# KiCad board Soldered Inkplate 4 TEMPERA with glass panel_panel.kicad_pcb (continued)
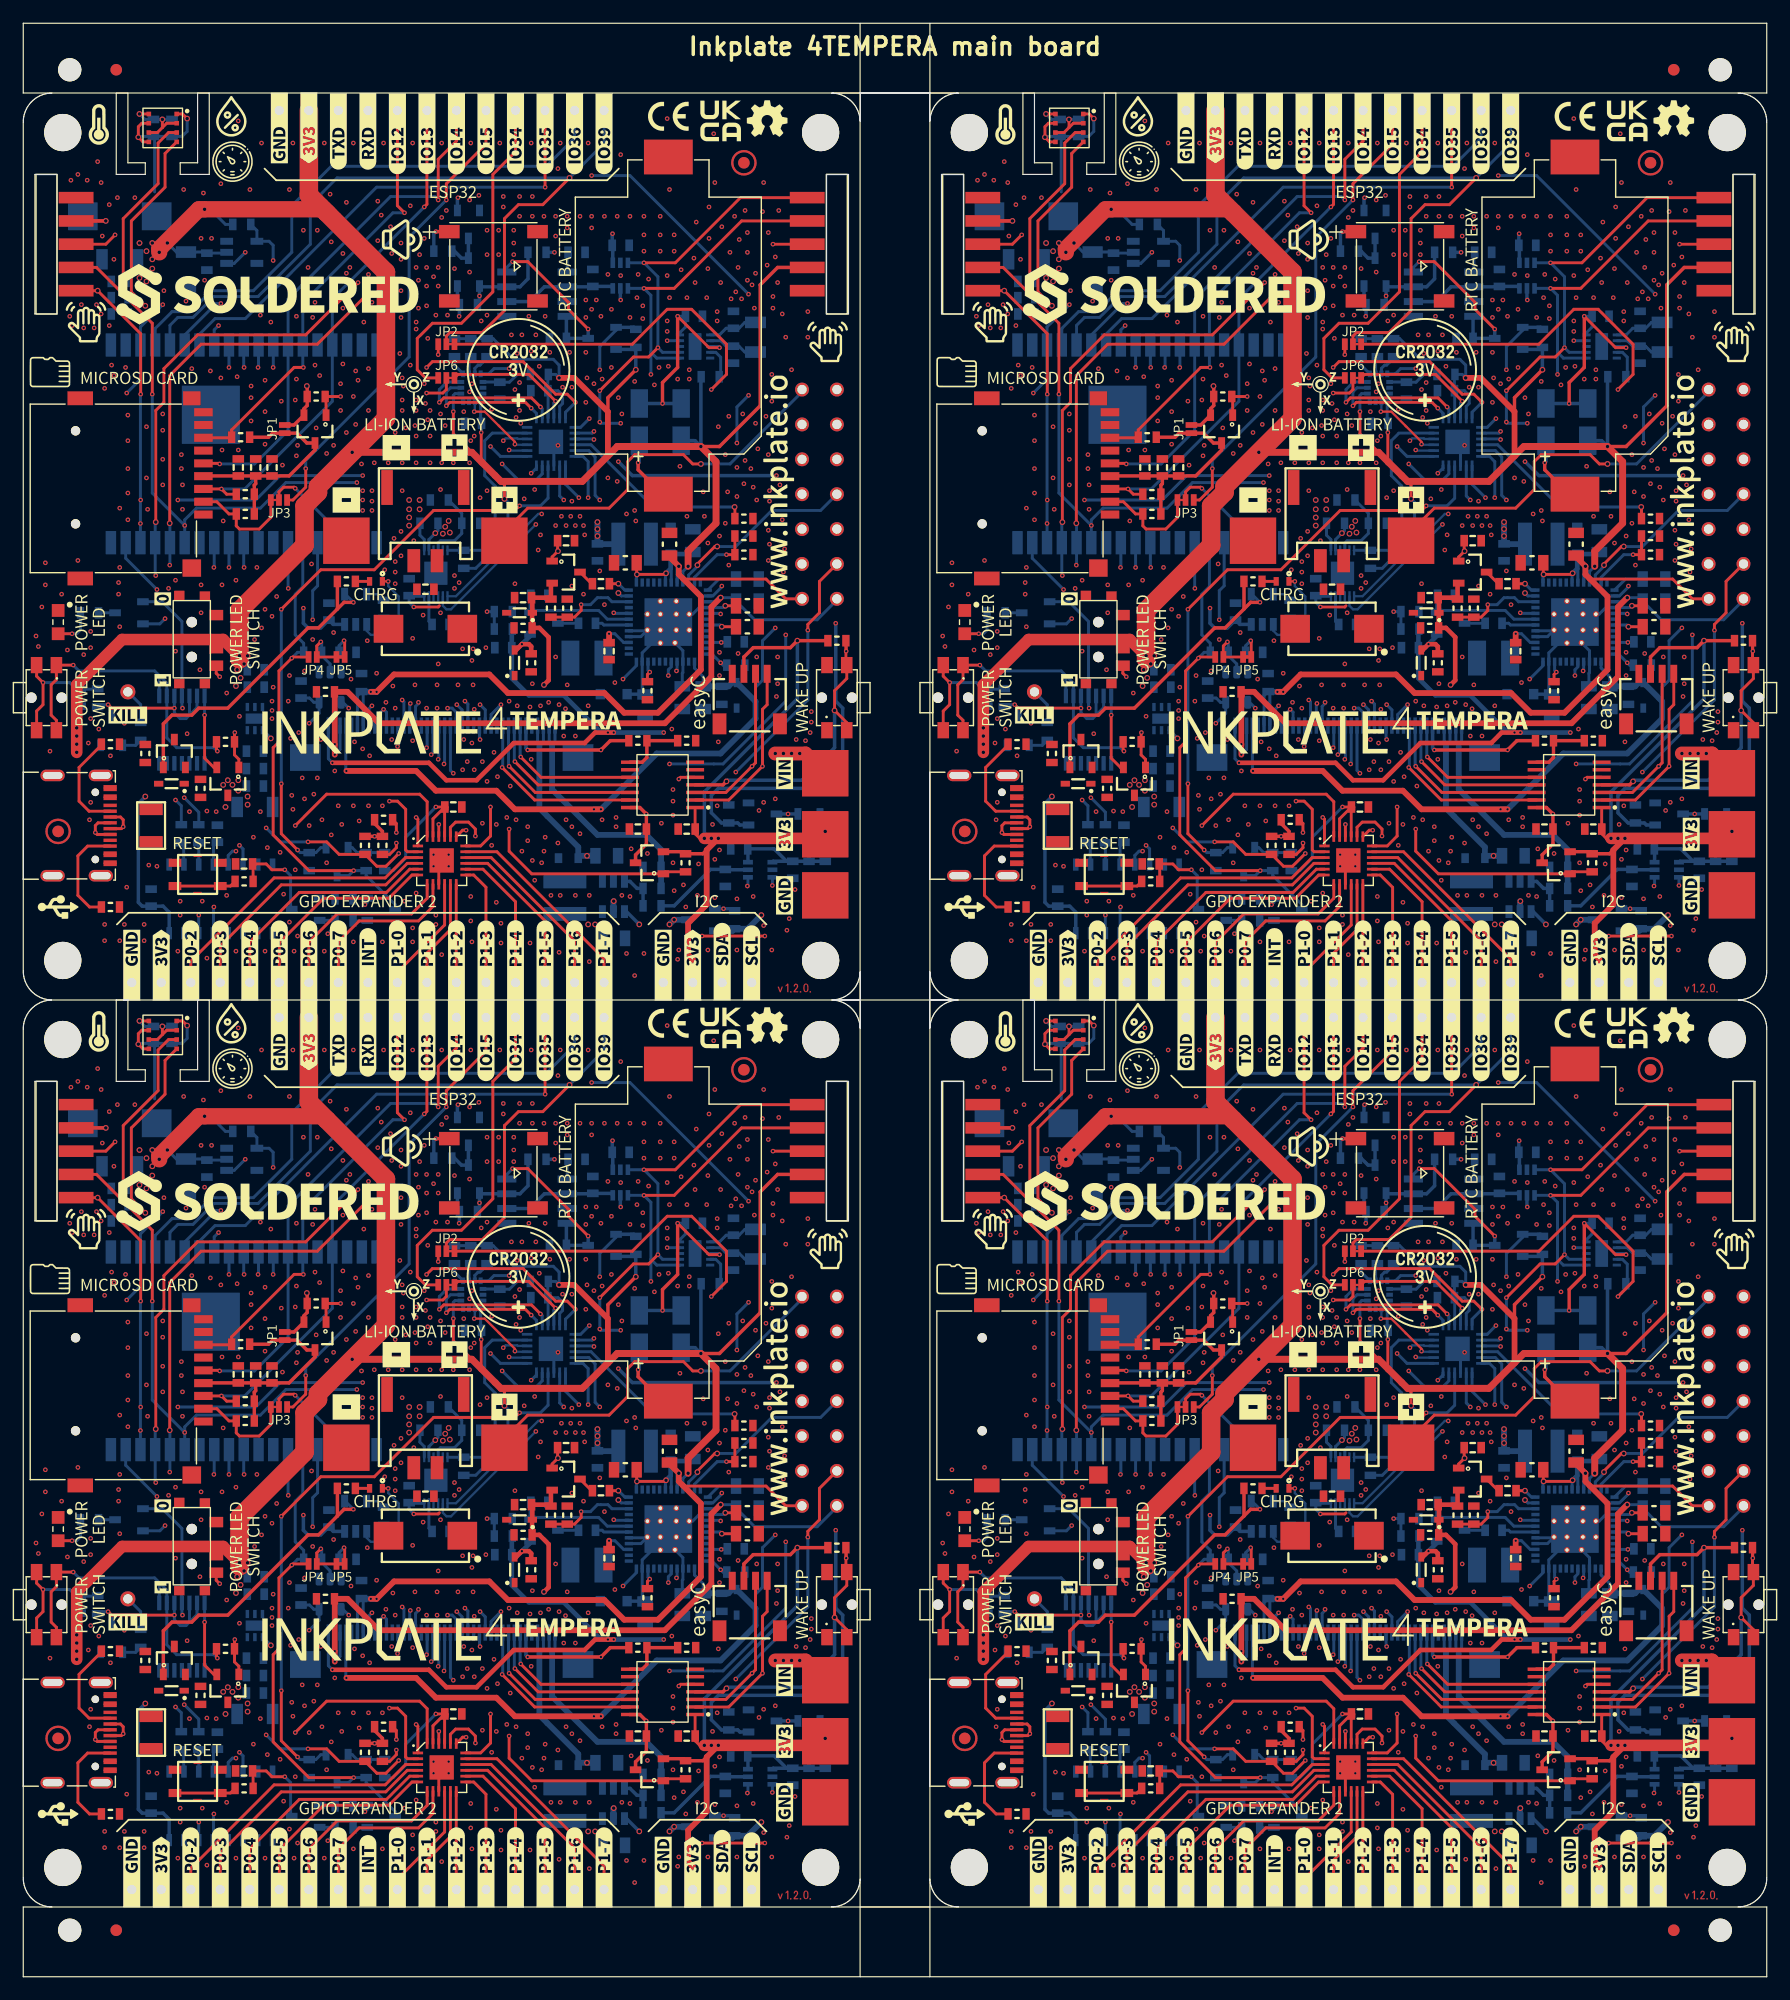
[diagram p0: board, top side]
## Routing (per net, layer and track width the routed paths; a pad name or vN(x,y) marks a point on that pad's centre or on a via; arc(x,y) is an arc through that point) (continued)
Board_0-Net-(C46-Pad2): length 2.6
  Top w0.254: v1(27.6,114.9) 27.65,114.85 JP5#2.2
  Bottom w0.254: v1(27.6,114.9) 27.17,114.47 C46#4.2
Board_0-Net-(C68-Pad2): length 1.7
  Bottom w0.254: C68#2.2 46.8,148.23 U18.5
Board_0-Net-(D8-Pad1): length 1.1
  Top w0.254: 28.68,120 D8#2.1
Board_0-Net-(D8-Pad2): length 8.7
  Top w0.2: v1(31.4,120) D8#2.2
  Bottom w0.2: v1(31.4,120) 31.4,119.6 32.3,118.7 32.3,115.8 31.9,115.4 29.9,115.4 29.55,115.75 U2#3.1
Board_0-Net-(D9-Pad1): length 3.5
  Top w0.254: v1(4.2,115.5) D9#4.1
  Bottom w0.254: R31.2 4.93,115.83 4.6,115.5 v1(4.2,115.5)
Board_0-Net-(D12-Pad1): length 6.2
  Top w0.3: v1(52.9,130.2) 52.9,129.6 55.5,127
  Bottom w0.3: v1(52.9,130.2) 53,130.3 D12.1
Board_0-Net-(JP2-Pad3): length 34.5
  Top w0.254: v1(59.2,136.5) 60.5,137.8 60.5,140.4 57.5,143.4 55.4,143.4 52.4,140.4 JP2#4.3
  Bottom w0.254: v1(59.2,136.5) 59.88,137.18 R40#3.1 60,137.73 60,139.28 59.58,139.7 U8#2.4
Board_0-Net-(JP3-Pad1): length 9.3
  Top w0.254: K10#2.2 16.65,126.85 17.7,125.8 R42#3.1 18.33,124.78 18.6,124.5 20.3,124.5 21.3,125.5 JP3#3.1
Board_0-Net-(JP4-Pad2): length 6.1
  Top w0.254: v1(25.6,114.8) 25.25,114.45 JP4.2 JP5#2.1
  Bottom w0.254: U11#2.2 26.4,112.9 25.68,113.63 R45.2 25.68,114.73 v1(25.6,114.8)
Board_0-Net-(JP6-Pad3): length 29.4
  Top w0.254: JP6#3.3 34.6,137.5 33.9,138.2 33.9,140.9 35.2,142.2 37.7,142.2 40.4,144.9 40.4,155 42.35,156.95 K17#2.1
Board_0-Net-(K2-PadA5): length 8.7
  Top w0.254: R18#2.1 6.73,105.93 4.8,104 4.8,101.1 5.66,100.24 K2#2.A5
Board_0-Net-(K2-PadB5): length 9
  Top w0.254: K2#2.B5 5.54,97.24 4.7,96.4 4.7,93 5.7,92 R17#4.1
Board_0-Net-(K9-Pad1): length 3.1
  Bottom w0.254: K9#4.1 10.1,109.4 R33.2
Board_0-Net-(K15-Pad1): length 42.5
  Top w0.254: K15#2.1 44.89,153.91 v1(44.9,153.9)
  Bottom w0.254: v1(44.9,153.9) 30.4,153.9 19.1,142.6 16.5,142.6 15.16,141.26 U14#3.7
Board_0-Net-(K26-Pad1): length 25.1
  Top w0.254: U15#4.3 32.89,96.25 31.14,94.5 21.58,94.5 14.41,87.33 K26#2.1
Board_0-Net-(K27-Pad1): length 23.1
  Top w0.254: U15#4.4 33.04,95.75 31.19,93.9 22.2,93.9 16.95,88.65 K27#2.1
Board_0-Net-(K28-Pad1): length 20.5
  Top w0.254: U15#4.5 33.25,95.25 31.25,93.25 23.75,93.25 19.49,88.99 K28#4.1
Board_0-Net-(K29-Pad1): length 17.8
  Top w0.254: K29.1 22.03,88.93 25.85,92.75 31.45,92.75 33.45,94.75 U15#4.6
Board_0-Net-(K30-Pad1): length 16.4
  Top w0.254: U15#4.7 34.75,92.75 33.4,91.4 27,91.4 24.57,88.97 K30#2.1
Board_0-Net-(K31-Pad1): length 14.8
  Top w0.254: U15#4.8 35.25,92.05 34,90.8 28.9,90.8 27.11,89.01 K31#3.1
Board_0-Net-(K33-Pad1): length 10.1
  Top w0.254: K33#4.1 32.19,86.39 36.25,90.45 U15#4.10
Board_0-Net-(K34-Pad1): length 9.3
  Top w0.254: U15#4.11 36.75,90.05 34.73,88.03 K34.1
Board_0-Net-(K35-Pad1): length 8.5
  Top w0.254: K35#3.1 37.25,85.52 U15#4.12
Board_0-Net-(K36-Pad1): length 10.4
  Top w0.254: U15#4.13 38.75,94.75 39.81,93.69 K36.1
Board_0-Net-(K37-Pad1): length 12.4
  Top w0.254: U15#4.14 39.55,95.25 42.35,92.45 K37#3.1
Board_0-Net-(K38-Pad1): length 14.2
  Top w0.254: U15#4.15 39.95,95.75 44.89,90.81 K38#3.1
Board_0-Net-(K39-Pad1): length 15.9
  Top w0.254: U15#4.16 40.25,96.25 47.43,89.07 K39#4.1
Board_0-Net-(K40-Pad1): length 17.8
  Top w0.254: K40#3.1 49.97,87.53 40.75,96.75 U15#4.17
Board_0-Net-(K41-Pad1): length 20.1
  Top w0.254: v1(32.1,98.4) 32.1,99.18 R55.2 ; U15#4.22 v1(35.75,99.1)
  In1.Cu w0.254: v1(35.75,99.1) 32.8,99.1 v1(32.1,98.4) 30.7,97 30.7,92.3 29.65,91.25 K41#3.1
Board_0-Net-(Q1-Pad2): length 3.3
  Bottom w0.254: Q1.2 28.3,97.1 28.73,96.68 R22#2.2 R21#3.1
Board_0-Net-(Q2-Pad1): length 1.3
  Bottom w0.254: R29#4.1 26.78,92.75 Q2#3.1
Board_0-Net-(Q3-Pad1): length 1.2
  Bottom w0.254: R30#4.1 29.55,90.8 Q3#3.1
Board_0-Net-(Q4-Pad2): length 10.9
  Top w0.254: S1#2.3 16.6,112.1 v1(16.9,111.8)
  In1.Cu w0.254: v1(16.9,111.8) 16.9,113.4 15.2,115.1 13.9,115.1 v1(12.2,116.8)
  Bottom w0.254: v1(12.2,116.8) 11.75,116.35 Q4#3.2
Board_0-Net-(Q4-Pad3): length 1.4
  Bottom w0.254: R31.1 Q4#3.3
Board_0-Net-(Q5-Pad1): length 1.7
  Bottom w0.254: R33.1 9.68,105.9 Q5.1
Board_0-Net-(Q5-Pad3): length 14.7
  Top w0.254: v1(7.3,109.4) 7.6,109.1 v1(13,109.1)
  Bottom w0.254: U7#3.13 14.95,109.15 14.3,108.5 ; U7#3.12 14.3,108.5 ; 14.3,108.5 14,108.2 13.5,108.2 13,108.7 v1(13,109.1) U7#3.10 ; Q5.3 7.6,109.1 v1(7.3,109.4) 6.58,109.4 R37#3.2
Board_0-Net-(Q14-Pad3): length 3.4
  Bottom w0.3: Q15#4.3 Q14#2.3 37.7,147.8 37.1,148.4 R62#4.1
Board_0-Net-(R23-Pad1): length 1.7
  Bottom w0.2: R23#4.1 30.48,118.9 U2#3.5
Board_0-Net-(R32-Pad1): length 5.4
  Top w0.254: R32#4.1 17.83,93.8 12.95,93.8
Board_0-Net-(R36-Pad1): length 28.2
  Top w0.254: SW2#4.1 2.85,108.05 2.4,108.5 2.4,111.1 2.85,111.55 SW2#4.1 v1(4.3,112.8) ; v1(16.7,105.4) 16.63,105.48 R36#4.1
  Bottom w0.254: 11.7,111.9 U7#3.8 ; 11.7,111.9 11.3,112.3 4.8,112.3 v1(4.3,112.8) ; 11.7,111.9 12.35,111.25 U7#3.9 12.35,106.55 13.2,105.7 16.4,105.7 v1(16.7,105.4)
Board_0-Net-(R46-Pad1): length 5.7
  Top w0.3: R47#3.1 R46#2.1 53.65,104.85 53.25,104.45 U10.8
Board_0-Net-(R49-Pad2): length 3.3
  Bottom w0.3: R50#3.1 R49.2 52.8,93.6 52.2,94.2 U12#2.3
Board_0-Net-(R56-Pad2): length 1.8
  Bottom w0.254: R56.2 37.1,138.6 U17#3.1
Board_0-Net-(R57-Pad2): length 1.5
  Bottom w0.254: R57#4.2 38.35,139.18 U17#3.2
Board_0-Net-(R58-Pad2): length 2
  Bottom w0.254: U17#3.3 38.85,138.32 39.13,138.6 39.3,138.6 39.9,139.2 R58#4.2
Board_0-Net-(R62-Pad2): length 2.9
  Top w0.3: U20.1 v1(35.5,150.08)
  Bottom w0.3: R62#4.2 35.33,149.91 v1(35.5,150.08)
Board_0-OUT: length 18.8
  In1.Cu w0.3: v1(37.4,153) 39.25,151.15 v1(39.25,144.55)
  Bottom w0.3: R61#4.1 39.25,143.98 Q14#2.1 39.32,145.34 U18.3 42.74,145.34 43.43,146.03 R59.2 ; v1(37.4,153) 37.35,152.95 Q15#4.1
Board_0-POT_A: length 9.7
  Bottom w0.3: U16#2.6 50.55,145.37 C62#3.2 48.97,145.34 U18.6 44.84,145.34 43.57,144.07 U18.2
Board_0-POT_W: length 9.1
  In1.Cu w0.3: v1(51.4,144.2) 50.1,144.2 46,148.3 v1(45.7,148.3)
  Bottom w0.3: R59.1 v1(45.7,148.3) ; v1(51.4,144.2) 51.37,144.23 U16#2.5
Board_0-PWR_GOOD: length 23.7
  In1.Cu w0.254: v1(51.6,111.6) 45.2,118 45.2,125.7 v1(46.5,127)
  Bottom w0.254: U13.8 46.15,127.35 v1(46.5,127) ; v1(51.6,111.6) 52.75,112.75 U1.24
Board_0-PWRUP: length 24.3
  Top w0.254: R5#4.1 53.7,112 v1(53.9,112.2)
  In1.Cu w0.254: v1(53.9,112.2) 52,114.1 52,124.6 v1(49.6,127)
  Bottom w0.254: v1(53.9,112.2) 53.75,112.35 U1.22 ; v1(49.6,127) 49.2,127.4 49.2,130.7 48.65,131.25 U13.5
Board_0-RST: length 123.6
  Top w0.254: v1(23.4,99) 26.1,101.7 34.1,101.7 34.75,101.05 U15#4.24 ; v1(34.7,138.4) 35.2,138.9 43,138.9 45.8,136.1 46.8,136.1 v1(47.5,135.4)
  In1.Cu w0.254: v1(12,143.8) 16.5,148.3 v1(19.1,148.3) 21.8,148.3 32,138.1 34.4,138.1 v1(34.7,138.4) ; v1(19.8,98) 19.2,98.6 12.4,98.6 9.5,101.5 9.5,108 7.5,110 7.5,134.8 v1(8.9,136.2)
  In2.Cu w0.254: v1(19.8,98) 22.4,98 v1(23.4,99)
  Bottom w0.254: U4#2.1 18.15,147.35 v1(19.1,148.3) ; U13.24 46.65,134.55 v1(47.5,135.4) ; v1(8.9,136.2) 10.08,137.38 U14#3.3 10.08,141.88 v1(12,143.8)
Board_0-RXD: length 77.5
  Top w0.254: v2(12.6,125) 12.6,137.7 15.3,140.4 25.3,140.4 29.7,144.8 v1(29.7,146.4)
  In1.Cu w0.254: v1(13.1,101.2) 11.7,102.6 11.7,112.5 10.3,113.9 10.3,120.4 11.3,121.4 v1(12.6,121.4) ; v1(29.7,146.4) 29.65,146.45 K18#2.1
  Bottom w0.254: v2(12.6,125) 12.62,124.98 U14#3.34 12.62,121.42 v1(12.6,121.4) ; v1(13.1,101.2) 13.6,100.7 R35#2.2
Board_0-SD_ENABLE: length 21.1
  Top w0.254: Q8#2.1 26.05,135.83 R39#4.2 v1(27.3,135.9)
  In1.Cu w0.254: v1(40.2,131.6) 31.6,131.6 v1(27.3,135.9)
  Bottom w0.254: U13.13 41.05,130.75 v1(40.2,131.6)
Board_0-SPI_CS: length 8.3
  Top w0.254: v1(23.4,128) 23.3,128.1 22.4,128.1 22,127.7 JP3#3.2
  Bottom w0.254: U14#3.23 26.59,124.81 v1(23.4,128)
Board_0-SPI_MISO: length 38.1
  Top w0.254: K20#2.1 32.19,152.31 v1(32.8,151.7) ; v1(24.1,138.4) 23.3,138.4 17.93,133.03 R44#4.1 17.88,132.35 K10#2.7
  Bottom w0.254: v1(24.1,138.4) 24.05,138.45 U14#3.14 24.05,143.95 31.8,151.7 v1(32.8,151.7)
Board_0-SPI_MOSI: length 44.1
  Top w0.254: K10#2.3 v1(17.05,127.95) 17.5,127.5 R43.1 ; K21#4.1 34.73,152.43 v1(34.5,152.2)
  Bottom w0.254: v1(17.05,127.95) 19.05,127.95 26.59,135.49 U14#3.16 26.59,144.29 v1(34.5,152.2)
Board_0-SPI_SCK: length 44.8
  Top w0.254: K10#2.5 16.85,130.15 v1(16.9,130.1) ; K19#3.1 37.27,157.87 35.7,156.3 v1(35.7,152.8)
  Bottom w0.254: v1(16.9,130.1) 19.9,130.1 22.78,132.98 U14#3.13 22.78,144.28 31.6,153.1 35.4,153.1 v1(35.7,152.8)
Board_0-SW_IN: length 6.5
  Top w0.254: v1(15.6,108.5) 15.6,104.8 16.4,104 16.45,104
  Bottom w0.254: U7#3.14 v1(15.6,108.5)
Board_0-SW_OUT_D: length 20.1
  Top w0.254: v1(18.2,107) 18.18,106.98 R36#4.2 18.18,105.08 18.55,104.7 Q6#4.1
  In1.Cu w0.254: v1(18.2,107) 16.1,109.1 v1(13.7,109.1)
  Bottom w0.254: v1(13.7,109.1) 13.65,109.15 U7#3.11 13.65,116.55 11.95,118.25 Q4#3.1
Board_0-TOUCH_EN: length 28.9
  Top w0.254: U15#4.1 33.95,99.55 v1(33.8,99.7) ; v1(41.8,98.7) 41.8,96.8 43.75,94.85 Q11.1 55.25,95.03 R52#4.2
  In1.Cu w0.254: v1(41.8,98.7) 40.8,99.7 v1(33.8,99.7)
Board_0-TOUCH_INT_B: length 13.8
  Top w0.254: v1(42.3,104.5) 44.3,102.5 U10.11
  Bottom w0.254: K12#4.8 42.25,104.55 v1(42.3,104.5)
Board_0-TOUCH_RESET: length 33.5
  Top w0.254: U15#4.2 33.05,96.75 32.9,96.9 32.9,100.4 32.2,101.1 v1(31.5,101.1) ; v1(56.4,103) 56.55,103.15 U10.5
  In1.Cu w0.254: v1(31.5,101.1) 32.1,101.7 44,101.7 45.3,103 v1(56.4,103)
Board_0-TOUCH_RESET_B: length 12.9
  Top w0.254: U10.10 44.55,103.15 v1(42.8,104.9)
  Bottom w0.254: v1(42.8,104.9) 42.75,104.95 K12#4.7
Board_0-TXD: length 76.8
  Top w0.254: v2(11.4,125.1) 11.4,134.7 12.1,135.4 12.1,138.3 15,141.2 24.3,141.2 v1(28.8,145.7)
  In1.Cu w0.254: v1(13.85,101.4) 12.3,102.95 12.3,113 10.9,114.4 10.9,120 v1(11.4,120.5) ; K16#4.1 27.11,156.39 28.8,154.7 v1(28.8,145.7)
  Bottom w0.254: v1(11.4,120.5) 11.35,120.55 U14#3.35 11.35,125.05 v2(11.4,125.1) ; R34#3.2 15.1,100.15 v1(13.85,101.4)
Board_0-VBAT: length 40.3
  Top w0.254: v2(58.3,130.1) 57.6,130.1 56.8,130.9 52.6,130.9 52,130.3 52,127.9 50.4,126.3 43.4,126.3 41.33,124.23 ; v1(33.6,117.8) 35.7,117.8 35.8,117.9
  Bottom w0.254: U5#2.6 33.25,118.72 C29#4.2 33.2,118.2 v1(33.6,117.8) ; K1#2.8 67,136.3 60.8,130.1 v2(58.3,130.1) ; U5#2.8 34.9,123.6 v2(35.45,124.15) 35.68,124.38 R24#2.2
  vias: v2(36.1,124.1) v2(36.3,124.7) v2(36.6,125.2) v2(36.7,124.2)
Board_0-VCOM: length 73.8
  Top w0.5: v1(27.8,103.7) 33.8,103.7 35.5,102 40.7,102 42.3,100.4 v1(49.7,100.4)
  In1.Cu w0.254: K1#2.11 65.7,127.5 64.7,126.5 v1(64.7,116)
  Bottom w0.254: v1(27.8,103.7) 27.75,103.75 K12#4.37 ; v1(64.7,116) 63.6,114.9 63.6,111.5 63,110.9 63,109.67 ; U1.14 57.75,112.55 58.5,111.8 C7.2
  Bottom w0.5: v1(49.1,100.4) v1(49.7,100.4) 54.5,105.2 60,105.2 63,108.2 63,109.67 D4#4.1 61,111.3 60.68,110.98 R9#2.2 C7.2
Board_0-VCOM_CTRL: length 28.4
  In1.Cu w0.254: v1(60,113) 59.2,113.8 59.2,121.4 53.1,127.5 48.9,127.5 v1(48.6,127.2)
  Bottom w0.254: v1(48.6,127.2) 48.6,130.3 48.15,130.75 U13.6 ; U1.12 59.25,113.75 60.2,112.8 R4#3.1
Board_0-VDDH: length 70.8
  Top w0.254: v1(67.5,115.8) 67.5,116.3 68.5,117.3 68.5,120 K1#2.2
  Top w0.4: D7.2 45.4,119.75 R15#4.2 45.28,118.6 C15.2 43.8,118.53 D3#4.2 43.78,117.28 R8#4.2 44.4,116 45.2,115.2 45.2,111.5 v2(44.8,111.1)
  In2.Cu w0.254: v1(61.3,103.6) 52.9,103.6 46.1,110.4 44,110.4
  In2.Cu w0.4: v1(30,109.3) 31.1,110.4 44.1,110.4 v2(44.8,111.1)
  Bottom w0.254: K12#4.33 29.75,109.05 v1(30,109.3) ; v1(67.5,115.8) 67.5,109.8 v1(61.3,103.6)
Board_0-VEE: length 81.1
  Top w0.4: v1(26.6,104.4) 34.9,104.4 36.4,102.9 39,102.9 42.2,106.1 48.3,106.1 49.2,107 v1(50.8,107) ; D5#3.1 42.4,114.1 v1(42.9,114.6) 43.5,114.6 43.7,114.4 R10#2.2
  In1.Cu w0.254: v1(65.6,115.4) 65.6,120.1 K1#2.13 ; v1(55.6,104.3) 55.1,104.8 v1(55.1,107)
  Bottom w0.254: v1(55.6,104.3) 60.2,104.3 65.6,109.7 v1(65.6,115.4) ; K12#4.40 26.25,104.75 v1(26.6,104.4)
  Bottom w0.4: C14.2 42.6,114.3 43.6,115.3 D6#4.1 ; C14.2 42.03,111.67 43.5,110.2 46.5,110.2 49.7,107 v1(50.8,107) v1(55.1,107) ; C14.2 42.03,115.86 R13#3.2
  vias: v1(50.3,107)
Board_0-VIN: length 153.3
  Top w0.5: C9.2 v1(50.4,115.5)
  Top w1.2: PAD3#3.1 67.3,105.2 v2(64.7,105.2)
  In2.Cu w0.4: v1(60.05,114.75) 60.9,113.9 60.9,109.7 58.9,107.7 56.9,107.7
  In2.Cu w0.5: v2(63.5,91.3) 63.5,96.1 66.7,99.3 66.7,103.2 v2(64.7,105.2) ; 48.9,115.7 50.2,115.7 v1(50.4,115.5)
  In2.Cu w1.2: 66.6,105.2 59.4,105.2 48.9,115.7 36.2,115.7 ; 36.2,115.7 41.5,121 47.4,121 49.4,123 v2(49.4,125.1) ; 36.2,115.7 33.9,113.4 28.5,113.4 18,102.9 v2(18,102.5) ; v2(49.4,124.5) v2(49.4,125.1) ; v2(49.4,125.1) 63.7,139.4 68.6,139.4 70,138 K1#2.7
  Bottom w0.254: U1.10 v1(60.05,114.75) ; v1(60.05,114.75) 60.52,114.75 C6#3.2 60.1,114.8 v1(60.05,114.75) ; v1(50.4,115.5) 50.9,115.5 51.65,114.75 U1.27
  Bottom w0.3: v2(21.3,106.5) 21.29,106.5 U3#2.4
  Bottom w0.5: L2#2.1 49.43,123.2 C10#4.2 v2(49.4,125.1) ; v2(63.5,91.3) 62.33,90.13 R53.2 61.03,89.95 Q12.2
  vias: v2(17.2,102.5) v2(17.4,100.6) v2(17.6,102.9) v2(18.5,102.9) v2(18.5,102) v2(19.3,101.5) v2(19.3,100.8) v2(49.4,123.9) v2(65.4,105.2) v2(66.1,105.2) v2(66.8,105.2)
Board_0-VIN_BCK: length 11
  In1.Cu w0.5: v2(48.6,90.5) v2(53,90.5) v2(55.6,90.5) v2(56,90.9)
  Bottom w0.3: U12#2.4 51.9,91.6 v2(53,90.5)
  Bottom w0.5: v2(55.6,90.5) v2(56,90.9) Q12.3
  vias: v2(49.2,90.5)
Board_0-VNEG: length 65.1
  Top w0.5: v2(60,118.6) 59.2,117.8 59.2,111.8 55.2,107.8 30.6,107.8 27.9,110.5 R6#4.1 26.8,110.48 v1(26.8,106) v1(26.8,105.1)
  Bottom w0.254: v1(26.8,106) 26.75,106.05 K12#4.39 ; 59.8,118.6 v2(60,118.6) ; 59.8,118.6 61.03,118.6 C2#3.2 62.92,116.7 68.3,116.7 70,118.4 K1#2.1 ; 59.8,118.6 59.45,118.25 U1.3 ; v1(26.8,105.1) 27.25,105.55 K12#4.38
Board_0-VPOS: length 62.7
  Top w0.254: K1#2.14 65.6,118.5 63.9,120.2 56.8,120.2 56.75,120.25
  Top w0.5: 55.5,122.2 v2(56.4,121.3) 56.4,120.6 58.3,118.7 58.3,112.4 54.6,108.7 51.7,108.7 50,110.4 41.7,110.4 40.1,112 31.9,112 v1(30.4,110.5) v1(29.9,110.5)
  Bottom w0.254: v2(56.4,121.3) 56.25,121.15 U1.44 ; K12#4.35 28.75,110.18 R7.1 29.25,110.38 K12#4.34
  Bottom w0.5: v1(30.4,110.5) 29.13,110.5 R7.1
Board_0-VSYS: length 36.4
  In2.Cu w1.2: v1(14.1,106.9) 15.7,106.9 20.5,111.7 20.5,114.1 v1(24.1,117.7) 33,126.6
  Bottom w0.254: U5#2.7 34.5,123.6 34.13,123.98 R24#2.1
  Bottom w0.3: U2#3.3 26.67,116.3 C67.2 26.27,116.67 25.6,116 24.5,116 24.1,116.4 v1(24.1,117.7)
  vias: v2(33.2,127) v2(33.2,126.2) v2(33.2,125.5) v2(33.2,124.8) v2(34.1,127) v2(34.1,126.2)
Board_0-VUSB: length 42
  Top w0.3: Q7.1 12.05,107.75 12.8,108.5 14.5,108.5 15.1,109.1 17.6,109.1 24.5,116 25.4,116 27.03,117.63 ; v1(28.4,118.2) 27.6,118.2 27.03,117.63 ; 27.03,117.63 R19.1
  Bottom w0.254: v1(28.4,118.2) 27.7,118.9 U2#3.4
  Bottom w0.3: U6.16 12.56,91.55 12.03,92.07 C32#3.2 10.23,92.07 9.9,92.4 9.9,100.9 v2(10.5,101.5)
Board_0-WAKEUP: length 28.5
  Top w0.254: v2(61.2,126.4) 61.23,126.38 R3#2.1
  In1.Cu w0.254: v1(60,117.2) 60.7,117.2 61.6,118.1 61.6,126 v2(61.2,126.4)
  Bottom w0.254: U1.5 59.95,117.25 v1(60,117.2) ; U13.4 48.85,131.75 54.2,126.4 v2(61.2,126.4)
Board_1-3V3: length 447
  Top w0.254: U19.2 90.34,159.4 89.97,159.03 ; 89.97,159.03 89.54,158.6 U19.6 ; 89.97,159.03 v2(89.97,159.73) ; v1(115,134.6) 115,132.7 116.6,131.1 ; v1(117.4,132.8) 117.4,130.3 117.45,130.25 ; v2(136.6,97.9) 136.2,97.9 135.81,98.29 C42#3.2 135.8,98.71 U10#2.1 ; U19.8 v2(88,160.2) ; 118.6,129.1 119.4,128.3 v2(119.4,127.1) ; U15.18 117.35,97.25 118.2,98.1 v1(118.2,100.6) ; 114.47,100.37 114.47,100.6 114.25,100.38 U15.21 ; v1(113.5,100.6) C59#3.2 113.25,99.58 U15.23
  Top w0.3: R55#4.1 108.23,99.18 108.9,98.5 R1#3.2 R2#3.2 ; 128.3,134.6 128.3,135.8 v2(130.7,138.2) ; Q11#4.2 134.8,96.75 R52#2.1 136.48,96.58 136.8,96.9 ; JP1#4.2 101.3,133.45 Q8#4.2 102.15,134.85 102.43,135.13 R39.1 102.43,136.78 v2(102.4,136.8) ; v2(136.3,131.6) 137.9,131.6 141.4,135.1 141.4,145.5 142.9,147 K43#4.4 ; 89.13,147.73 v2(89.1,147.7) ; R41#3.2 v2(144.6,114.9) 144,114.3 140.8,114.3 140,113.5 K4#4.3
  Top w0.32: K42#2.4 v2(85.1,151)
  Top w0.5: v2(137.8,97.9) 136.8,96.9 136.8,92.2 135.2,90.6 135.2,87.9 135.59,87.51 K5#4.1 ; v2(124.1,137.5) 125.4,137.5 128.3,134.6 128.3,130.8
  Top w0.6: v2(106.3,131.1) 116.6,131.1 119.1,128.6 126.1,128.6 129.1,131.6 v2(136.3,131.6) 137.6,130.3 137.6,125 135.2,122.6 v2(135.2,121.3)
  Top w1: PAD4#4.1 146.65,97.9 v2(136.6,97.9) ; v2(96.6,113.6) 95.2,115 86.5,115 82.6,111.1 v2(82.6,105.3)
  Top w1.4: v2(89.7,148.3) 89.7,148.6 93.1,152 v2(93.6,152) 103.8,152 104.1,151.7
  Top w1.6: K13#4.1 102.57,153.23 109.2,146.6 109.2,134 103.35,128.15 103.35,127.65 102.2,126.5 102.2,123.1 96.6,117.5 96.6,113.3
  In1.Cu w0.254: v2(93.6,152) 92.5,152 89.97,154.53 v2(89.97,159.73)
  In1.Cu w0.3: v2(93.6,152) 93.3,151.7 85.8,151.7 v2(85.1,151) ; v2(102.4,136.8) 102.4,135 v2(106.3,131.1)
  In1.Cu w1: v2(82.6,107.4) 82.6,97.8 83.1,97.3 85.3,97.3 88.5,94.1 ; 88.5,94.1 104.1,94.1 110.6,100.6 v1(113.5,100.6) 125.1,100.6 127.8,97.9 v2(137.8,97.9) ; 88.5,94.1 89.87,92.73 K22.1
  Bottom w0.254: R56#3.1 R58#3.1 118.43,140.88 120.2,139.1 120.9,139.1 ; U1#4.45 134.75,120.85 v2(135.2,121.3) ; v1(113.5,100.6) 110.9,98 110.9,96.2 109.83,95.13 R21.2 ; U17#2.5 118.98,137.15 C61#2.2 119.83,137.13 120.4,137.7 120.4,138.6 120.9,139.1 ; U13#4.21 123.15,136.28 123.03,136.4 124,136.4 124.4,136 124.4,135.3 124.15,135.05 U13#4.23 ; C65#4.2 C64#4.2 88.47,159.73 v2(88,160.2) ; 120.9,139.1 123.6,139.1 124.1,138.6 v2(124.1,137.5) 123.8,137.8 R54.1 123.13,137.76 C53#3.2 ; v1(115,134.6) 115,136 115.15,136.15 U17#2.12 ; U17#2.8 117.35,133.68 C63#3.2 117.43,132.83 v1(117.4,132.8) ; v2(90.4,149.1) 91.18,148.33 C25.2 93.71,148.33 C27.2 95.43,148.23 U4.2 ; v2(93.6,152) 94.1,152 95.4,150.7 R27#2.2 ; R26#3.1 116.93,121.13 119.7,123.9 119.7,126.8 v2(119.4,127.1)
  Bottom w0.3: v2(136.6,97.9) 136.6,101.9 144.6,109.9 v2(144.6,114.9) ; 135.7,132.1 D11#3.1 135.8,132.1 v2(136.3,131.6) 136.3,137.58 R40.2 ; Q9#4.2 146.55,98.95 v2(147,98.5) ; Q13.2 130.53,139.95 R60#2.1 v2(130.7,138.2)
  vias: v1(108.23,98.08) v2(82.6,106.7) v2(82.6,106) v2(88,149.1) v2(88,146.1) v2(88.6,148.4) v2(88.6,145.8) v2(89.1,149.1) v2(89.1,146.9) v2(96.3,111) v2(96.4,112.4) v2(96.7,111.7) v2(97,112.9) v2(97.3,113.6) v2(137.2,97.9)
Board_1-3V3-EINK: length 81.9
  Top w0.254: v2(136,121.4) 136,121.5 137.5,123 v2(137.7,123)
  In1.Cu w0.254: v1(102.6,107.8) 102.6,104.8 104.3,103.1 113.8,103.1 116.1,105.4
  In1.Cu w0.5: v2(136,121.4) 136.4,121 136.4,114.6 134.9,113.1 133.3,113.1 132.7,112.5 132.7,111.1 131.7,110.1 128.4,110.1 126.5,108.2 120.5,108.2 117.7,105.4 115.4,105.4 113.7,107.1 110.9,107.1 v1(109,109)
  Bottom w0.254: K1#3.4 146.6,126.1 142.4,126.1 139.3,123 v2(137.7,123) ; v2(136,121.4) 136,121.3 135.25,120.55 U1#4.46 ; v1(102.6,107.8) 103.45,108.65 U11#3.5 103,109.6 102.63,109.97 C51#3.2 ; K12.31 108.75,108.75 v1(109,109) 109.25,108.75 K12.30
Board_1-3V3_BUZZER: length 42.8
  Top w0.254: v1(126.6,141.7) 124.9,143.4 124.9,144 121.4,147.5 v1(120.1,147.5)
  In1.Cu w0.3: v1(115.5,142.8) 116.6,141.7 v1(126.6,141.7) 128,141.7 130.1,143.8 130.1,148.5 v1(128.7,149.9)
  Bottom w0.254: v1(120.1,147.5) 119.6,147 U18#3.4
  Bottom w0.3: Q14#4.2 115.35,143.98 R61.2 115.53,142.83 v1(115.5,142.8) ; v1(128.7,149.9) 128.67,149.87 C60.2 128.72,148.85 U16#3.1 ; U18#3.8 124.73,142.73 C66#3.2 Q13.3 v1(126.6,141.7)
Board_1-3V3_MICROSD: length 20.6
  Top w0.3: K10#4.4 93.52,129.07 C41#2.2 C40#2.2 ; R42#2.2 R43#4.2 97.88,128.28 98,128.4 C40#2.2 ; C40#2.2 C39#4.2 100.87,129.07 103.1,131.3 Q8#4.3 102.4,131.9 101.55,132.75 JP1#4.1 99.45,132.75 99.1,132.4 R44#2.2
Board_1-3V3_RTC: length 19.7
  Top w0.254: v1(137.9,140.1) 137,140.1 v1(134.3,142.8)
  Top w0.3: v1(133,135.3) 133,137.1 134.3,138.4 v1(134.3,142.8)
  Bottom w0.254: U8#3.10 134.5,141.4 134.97,141.87 C38#2.2 v1(134.3,142.8) ; U8#3.3 137.8,140.2 v1(137.9,140.1)
  Bottom w0.3: D12#2.2 D11#3.2
Board_1-3V3_TOUCH: length 24.5
  Top w0.3: R46#4.2 128.5,106.3 v1(127.7,105.5) v1(121.4,105.5) ; Q11#4.3 130.68,96.48 131.61,97.41 C49.1 131.61,99.99 131.05,100.55 U10#2.14
  In2.Cu w0.3: v1(127.7,105.5) 131.6,101.6 v1(131.6,100)
  Bottom w0.3: v1(121.4,105.5) 121.25,105.65 K12.6
Board_1-/CTRL & COMS/BIN: length 6.3
  Bottom w0.254: R25#2.2 115.73,125.85 R28#3.1 115.73,124.13 115.1,123.5 113.9,123.5 113.7,123.3 U5.10
Board_1-/CTRL & COMS/CH_RXD: length 1.9
  Bottom w0.254: R34.1 93.1,95.66 U6#3.3
Board_1-/CTRL & COMS/CH_TXD: length 2
  Bottom w0.254: R35#4.1 91.8,97.33 91.8,95.68 U6#3.2
Board_1-/CTRL & COMS/DTR: length 17.2
  In1.Cu w0.254: v1(107.4,92.2) 94.6,92.2 v1(94.4,92)
  Bottom w0.254: U6#3.13 94.37,91.97 v1(94.4,92) ; v1(107.4,92.2) 107.6,92.4 Q3#4.2 106.43,92.75 R29.2
Board_1-/CTRL & COMS/RTS: length 16
  In1.Cu w0.254: v1(104.2,89.7) 102.6,91.3 v1(93.1,91.3)
  Bottom w0.254: U6#3.14 93.1,91.3 v1(93.1,91.3) ; v1(104.2,89.7) 104.83,90.33 R30#3.2 104.78,90.85 Q2#2.2
Board_1-/E-paper/DAC_OUT: length 8.8
  Bottom w0.3: U9#4.5 138.43,95.2 C48#2.2 137.13,95.23 134,92.1 R50.2
Board_1-/MCU & GPIO Expanders/GPIO34: length 28.8
  Top w0.254: v1(112.7,136.2) 114.1,136.2 114.4,136.5 JP6#2.2
  In1.Cu w0.254: v1(95,143.9) 99.3,143.9 107,136.2 v1(112.7,136.2)
  Bottom w0.254: v1(95,143.9) 94.6,143.9 91.89,141.19 U14.6
Board_1-/MCU & GPIO Expanders/INTB: length 11.8
  Top w0.254: JP6#2.1 115.4,137.8 v1(121,137.8) 121.5,137.8 v1(123.8,135.5)
  Bottom w0.254: v1(123.8,135.5) 123.65,135.35 U13#4.22 ; v1(121,137.8) 121.53,137.8
Board_1-/POWER/INT_LDO: length 2.2
  Top w0.254: v2(138.1,116.1) 139.03,116.1
  Bottom w0.254: v2(138.1,116.1) 137.95,116.25 U1#4.7
Board_1-/POWER/TS: length 6.3
  Top w0.254: R12#2.2 R11#3.2 v1(138.5,122.3)
  Bottom w0.254: U1#4.47 135.75,120.35 137.7,122.3 v1(138.5,122.3)
Board_1-/POWER/VB: length 10.7
  Top w0.254: v2(133.3,120.7) 133.2,120.6 v2(130.8,120.6) 130.78,120.63 C12#2.2
  Bottom w0.254: U1#4.37 130.75,120.55 v2(130.8,120.6) ; U1#4.42 133.25,120.65 133.7,121.1 133.75,121.05 U1#4.43
  Bottom w0.4: C11#4.2 135.43,122.35 D2#4.1 133.7,121.1 v2(133.3,120.7)
Board_1-/POWER/VN: length 19
  Top w0.254: C3#2.2 v2(138.4,117.9)
  Bottom w0.254: U1#4.49 135.59,117.19 136.15,117.75 U1#4.4 138.25,117.75 v2(138.4,117.9) ; U1#4.49 134.75,114.04 U1#4.16 134.75,112.15 134.7,112.1 C8#3.2 ; U1#4.29 131.64,115.75 U1#4.49 131.14,115.25 U1#4.28 ; U1#4.49 132.1,114.7 131.25,113.85 U1#4.23 131.25,110.53 C5.2 131.48,110.3
  Bottom w0.3: D1#2.2 131.48,110.3
Board_1-/POWER/VREF: length 2.8
  Bottom w0.254: C1#2.2 137.85,120.2 U1#4.1
Board_1-/SD & RTC/X1: length 4.3
  Bottom w0.254: U8#3.1 137.9,141.2 138.47,141.77 C36#2.2 139.58,141.77 140.09,142.28 X1#2.1
Board_1-/SD & RTC/X2: length 4.3
  Bottom w0.254: U8#3.2 138,140.7 138.47,140.23 C37#4.2 139.57,140.23 140.08,139.73 X1#2.2
Board_1-BACKLIGHT_EN: length 68.7
  In1.Cu w0.3: v1(142.8,129.1) 145.8,129.1 146.5,128.4 146.5,117.8 v1(147.9,116.4)
  In2.Cu w0.3: v1(121.7,129.3) 122.7,130.3 v1(129.2,130.3)
  Bottom w0.254: U13#4.12 122.15,129.75 v1(121.7,129.3)
  Bottom w0.3: v1(129.2,130.3) 130.4,129.1 v1(142.8,129.1) ; Q10#2.1 139.65,99.05 139.48,99.23 R51#2.2 138.08,99.23 137.2,100.1 137.2,101.6 137.8,102.2 145.3,102.2 148.5,105.4 148.5,109.1 147.9,109.7 v1(147.9,116.4)
Board_1-BCK_ANODE: length 22.7
  In1.Cu w0.5: v2(128.8,92.5) 126.5,94.8 v2(126.5,96.4)
  Bottom w0.254: K12.3 122.75,106.25 122.4,105.9 122.25,106.05 K12.4
  Bottom w0.5: 122.4,105.9 122.4,100.5 125.75,97.15 D13#4.2 125.95,96.4 C50#2.2 v2(126.5,96.4) ; v2(128.8,92.5) 128.78,92.48 U12#4.5
Board_1-BCK_CATHODE: length 22.3
  Bottom w0.254: K12.1 123.75,106.15 123.5,105.9 123.25,106.15 K12.2
  Bottom w0.5: R49#2.1 R48#2.2 132.88,96.93 131.6,98.2 127.4,98.2 123.5,102.1 123.5,105.9
Board_1-BCK_MOS: length 14.1
  In1.Cu w0.3: v1(138.25,91.85) 138.25,94.45 v1(143.8,100)
  Bottom w0.3: Q10#2.3 v1(143.8,100) Q9#4.1 ; R53#3.1 139.03,91.85 Q12#4.1
Board_1-BUZZER_EN: length 20.5
  In1.Cu w0.254: v1(127.6,138.2) 122.8,138.2 119.8,135.2 v1(119.8,131.3)
  Bottom w0.2: U13#4.14 119.85,131.25
  Bottom w0.254: v1(127.6,138.2) 127.6,140.2 129,141.6 Q13.1 ; v1(119.8,131.3) 119.85,131.25
  Bottom w0.3: Q13.1 130.53,141.85 R60#2.2
Board_1-CLKOUT_RTC: length 22.2
  Top w0.254: v1(113.7,139.5) JP2#3.1
  In1.Cu w0.254: v1(133.4,140.7) 114.9,140.7 v1(113.7,139.5)
  Bottom w0.254: U8#3.9 v1(133.4,140.7)
Board_1-D+: length 17.8
  Top w0.254: K2#3.A6 84.44,99.24 84.2,99 v1(84.2,98.4) 84.36,98.24 K2#3.B6
  In1.Cu w0.254: v1(84.2,98.4) 85.9,98.4 87.67,96.64 96.14,96.64 v1(96.3,96.8)
  Bottom w0.254: v1(96.3,96.8) 96,96.8 95.64,96.44 U6#3.5
Board_1-D-: length 15.5
  Top w0.254: K2#3.A7 86.44,98.74 v1(86.6,98.9) 86.6,99.5 86.36,99.74 K2#3.B7
  In1.Cu w0.254: v1(86.6,98.9) 88.2,97.3 v1(96.6,97.3)
  Bottom w0.254: U6#3.6 96.91,97 v1(96.6,97.3)
Board_1-EPD_CKV: length 48
  In1.Cu w0.254: v1(94.8,142) 98.7,142 100.8,139.9 100.8,127.8 117.3,111.3 v1(117.3,109.4)
  Bottom w0.254: v1(117.3,109.4) 117.75,108.95 K12.13 ; v1(94.8,142) 94.43,141.63 U14.8
Board_1-EPD_CL: length 8.4
  In1.Cu w0.254: v1(106,109.1) 106,108.84 109.04,105.8 v1(110.2,105.8)
  Bottom w0.254: K12.28 110.25,105.85 v1(110.2,105.8) ; U11#3.4 105.5,109.6 v1(106,109.1)